# Altium PCB PCB1.PcbDoc (part 1 of 2) (continued)
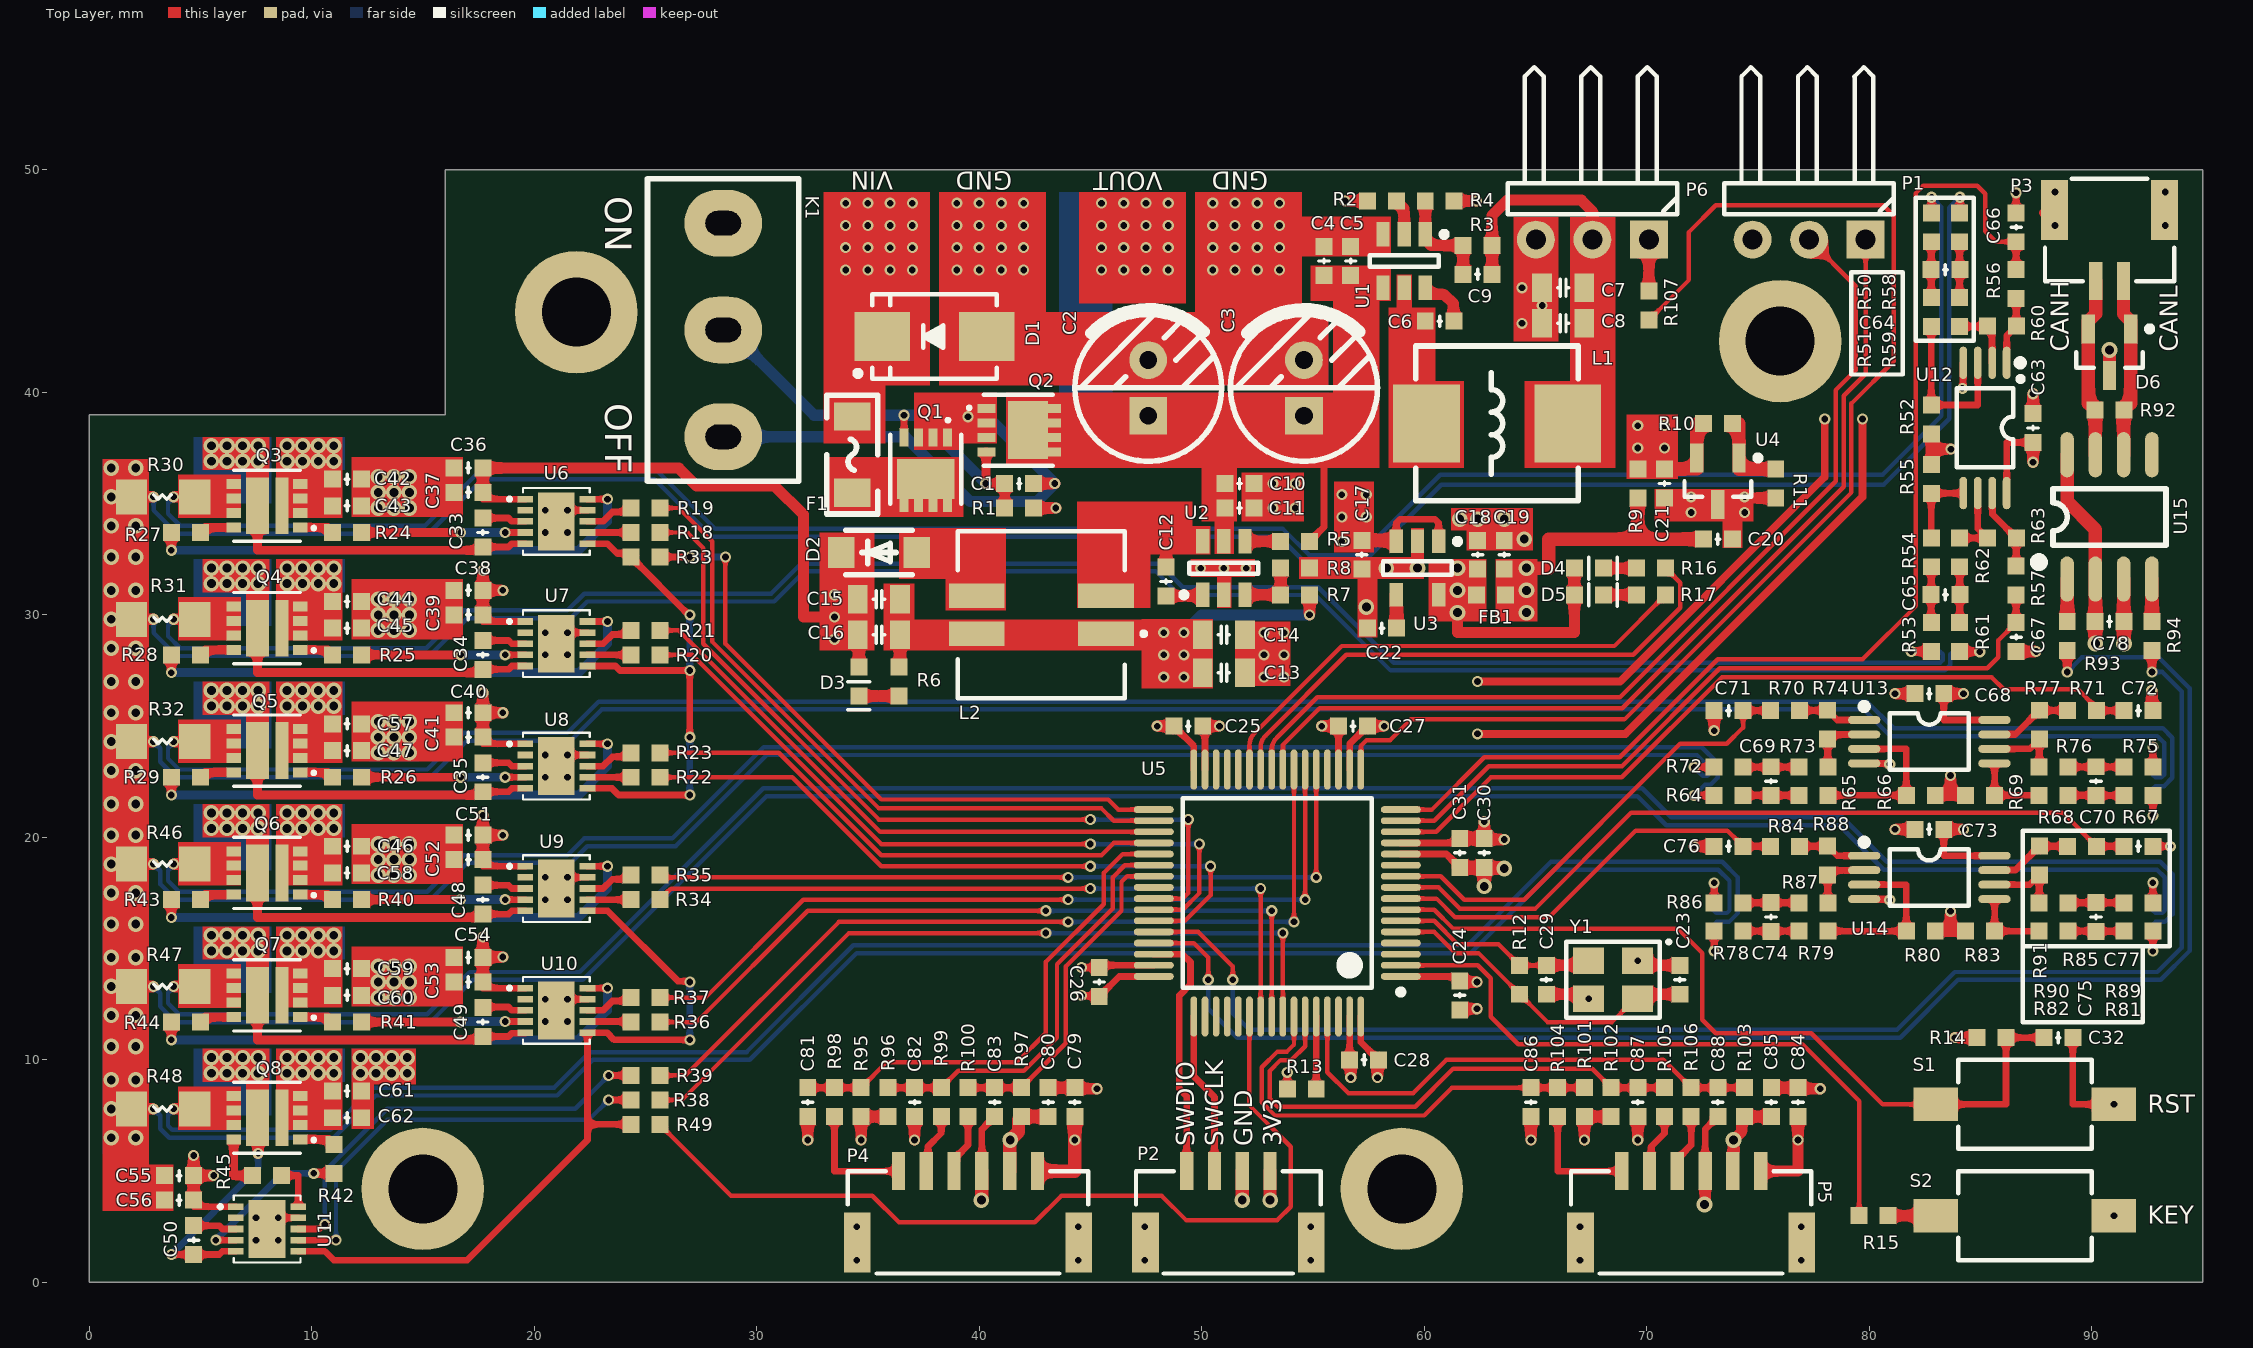
[diagram p0: Top Layer view]
## Components (designator, comment, footprint, x,y, rotation, side; value= is the part's Value field where it differs from the comment) (continued)
Q5 "AON7934" POWERPAIR_3X3 8,23.9 r90 top locked
Q6 "AON7934" POWERPAIR_3X3 8,18.4 r90 top locked
Q7 "AON7934" POWERPAIR_3X3 8,12.9 r90 top
Q8 "AON7934" POWERPAIR_3X3 8,7.4 r90 top locked
R1 "10K" R0603_NS 41.8,34.8 r0 top
R2 "100K" R0603_NS 58.1,48.6 r180 top
R3 "100K/1%" R0603_NS 62.4,46.6 r0 top
R4 "11K/1%" R0603_NS 60.7,48.6 r0 top
R5 "100K" R0603_NS 54.2,33.3 r0 top
R6 "1K" R0603_NS 36.4,27 r90 top
R7 "10.5K/1%" R0603_NS 54.2,30.9 r0 top
R8 "2K/1%" R0603_NS 54.2,32.1 r0 top
R9 "100R" R0603_NS 69.6,35.9 r270 top
R10 "4.12K/1%" R0603_NS 73.2,38.6 r0 top
R11 "12.4K/1%" R0603_NS 75.8,35.9 r90 top
R12 "1M" R0603_NS 64.292,13.6 r270 top
R13 "10K" R0603_NS 54.5,8.7 r180 top
R14 "10K" R0603_NS 85.5,11 r0 top
R15 "1K" R0603_NS 80.2,3 r180 top
R16 "1K" R0603_NS 70.2,32.1 r0 top
R17 "1K" R0603_NS 70.2,30.9 r0 top
R18 "100R" R0603_NS 25,33.7 r180 top
R19 "100R" R0603_NS 25,34.8 r180 top
R20 "100R" R0603_NS 25,28.2 r180 top
R21 "100R" R0603_NS 25,29.3 r180 top
R22 "100R" R0603_NS 25,22.7 r180 top
R23 "100R" R0603_NS 25,23.8 r180 top
R24 "4R7" R0603_NS 11.6,33.7 r180 top
R25 "4R7" R0603_NS 11.6,28.2 r180 top
R26 "4R7" R0603_NS 11.6,22.7 r180 top
R27 "4R7" R0603_NS 4.35,33.7 r0 top
R28 "4R7" R0603_NS 4.35,28.2 r0 top
R29 "4R7" R0603_NS 4.35,22.7 r0 top
R30 "5mΩ/1%" R1206_NS 3.3,35.3 r0 top value=15mΩ
R31 "5mΩ/1%" R1206_NS 3.3,29.8 r0 top value=15mΩ
R32 "5mΩ/1%" R1206_NS 3.3,24.3 r0 top value=15mΩ
R33 "100R" R0603_NS 25,32.6 r180 top
R34 "100R" R0603_NS 25,17.2 r180 top
R35 "100R" R0603_NS 25,18.3 r180 top
R36 "100R" R0603_NS 25,11.7 r180 top
R37 "100R" R0603_NS 25,12.8 r180 top
R38 "100R" R0603_NS 25,8.2 r180 top
R39 "100R" R0603_NS 25,9.3 r180 top
R40 "4R7" R0603_NS 11.6,17.2 r180 top
R41 "4R7" R0603_NS 11.6,11.7 r180 top
R42 "4R7" R0603_NS 11,5.55 r90 top
R43 "4R7" R0603_NS 4.35,17.2 r0 top
R44 "4R7" R0603_NS 4.35,11.7 r0 top
R45 "4R7" R0603_NS 8,4.8 r180 top
R46 "5mΩ/1%" R1206_NS 3.3,18.8 r0 top value=15mΩ
R47 "5mΩ/1%" R1206_NS 3.3,13.3 r0 top value=15mΩ
R48 "5mΩ/1%" R1206_NS 3.3,7.8 r0 top value=15mΩ
R49 "100R" R0603_NS 25,7.1 r180 top
R50 "1K/1%" R0603_NS 82.79,47.415 r270 top
R51 "1K/1%" R0603_NS 82.79,43.605 r270 top
R52 "100K/1%" R0603_NS 82.79,38.779 r270 top
R53 "1K/1%" R0603_NS 82.79,29 r90 top
R54 "1K/1%" R0603_NS 82.79,32.81 r90 top
R55 "100K/1%" R0603_NS 82.79,36.112 r90 top
R56 "100R" R0603_NS 86.6,44.875 r90 top
R57 "100R" R0603_NS 86.6,31.54 r270 top
R58 "1K/1%" R0603_NS 84.06,47.415 r270 top
R59 "1K/1%" R0603_NS 84.06,43.605 r270 top
R60 "100K/1%" R0603_NS 85.965,42.97 r0 top
R61 "1K/1%" R0603_NS 84.06,29 r90 top
R62 "1K/1%" R0603_NS 84.06,32.81 r90 top
R63 "100K/1%" R0603_NS 85.965,33.445 r0 top
R64 "1K/1%" R0603_NS 73.683,21.887 r0 top
R65 "1K/1%" R0603_NS 77.493,21.887 r0 top
R66 "100K/1%" R0603_NS 82.319,21.887 r0 top
R67 "1K/1%" R0603_NS 92.098,21.887 r180 top
R68 "1K/1%" R0603_NS 88.288,21.887 r180 top
R69 "100K/1%" R0603_NS 84.986,21.887 r180 top
R70 "100R" R0603_NS 76.223,25.697 r180 top
R71 "100R" R0603_NS 89.558,25.697 r0 top
R72 "1K/1%" R0603_NS 73.683,23.157 r0 top
R73 "1K/1%" R0603_NS 77.493,23.157 r0 top
R74 "100K/1%" R0603_NS 78.128,25.062 r90 top
R75 "1K/1%" R0603_NS 92.098,23.157 r180 top
R76 "1K/1%" R0603_NS 88.288,23.157 r180 top
R77 "100K/1%" R0603_NS 87.653,25.062 r90 top
R78 "1K/1%" R0603_NS 73.683,15.787 r0 top
R79 "1K/1%" R0603_NS 77.493,15.787 r0 top
R80 "100K/1%" R0603_NS 82.319,15.787 r0 top
R81 "1K/1%" R0603_NS 92.098,15.787 r180 top
R82 "1K/1%" R0603_NS 88.288,15.787 r180 top
R83 "100K/1%" R0603_NS 84.986,15.787 r180 top
R84 "100R" R0603_NS 76.223,19.597 r180 top
R85 "100R" R0603_NS 89.558,19.597 r0 top
R86 "1K/1%" R0603_NS 73.683,17.057 r0 top
R87 "1K/1%" R0603_NS 77.493,17.057 r0 top
R88 "100K/1%" R0603_NS 78.128,18.962 r90 top
R89 "1K/1%" R0603_NS 92.098,17.057 r180 top
R90 "1K/1%" R0603_NS 88.288,17.057 r180 top
R91 "100K/1%" R0603_NS 87.653,18.962 r90 top
R92 "120R" R0603_NS 90.8,39.2 r180 top
R93 "100R" R0603_NS 88.9,29.05 r90 top
R94 "100R" R0603_NS 92.7,29.05 r90 top
R95 "4.7K" R0603_NS 34.7,8.1 r270 top
R96 "4.7K" R0603_NS 35.9,8.1 r270 top
R97 "4.7K" R0603_NS 41.9,8.1 r270 top
R98 "100R" R0603_NS 33.5,8.1 r270 top
R99 "100R" R0603_NS 38.3,8.1 r270 top
R100 "100R" R0603_NS 39.5,8.1 r270 top
R101 "4.7K" R0603_NS 67.2,8.1 r270 top
R102 "4.7K" R0603_NS 68.4,8.1 r270 top
R103 "4.7K" R0603_NS 74.4,8.1 r270 top
R104 "100R" R0603_NS 66,8.1 r270 top
R105 "100R" R0603_NS 70.8,8.1 r270 top
R106 "100R" R0603_NS 72,8.1 r270 top
R107 "100R" R0603_NS 70.1,43.9 r90 top
S1 "TS-1101-C-R" TS-1101 87,8 r180 top
S2 "TS-1101-C-R" TS-1101 87,3 r180 top
U1 "SY8105IADC" SOT23-6N 59.1,45.9 r270 top
U2 "JW5026" SOT23-6N 51,32.1 r90 top
U3 "RT9193" SOT23-5N 59.7,32.1 r270 top
U4 "TLV431A" SOT23-3N 73.2,36 r270 top
U5 "CH32V307RCT6" LQFP64_N 53.4,17.5 r180 top locked
U6 "DGD05473FN-7" W-DFN3030-10_DGD05473 21,34.2 r270 top
U7 "DGD05473FN-7" W-DFN3030-10_DGD05473 21,28.7 r270 top
U8 "DGD05473FN-7" W-DFN3030-10_DGD05473 21,23.2 r270 top
U9 "DGD05473FN-7" W-DFN3030-10_DGD05473 21,17.7 r270 top
U10 "DGD05473FN-7" W-DFN3030-10_DGD05473 21,12.225 r270 top
U11 "DGD05473FN-7" W-DFN3030-10_DGD05473 8,2.4 r270 top
U12 "RS8552" TSSOP8_N 85.203,38.398 r270 top
U13 "RS8552" TSSOP8_N 82.7,24.3 r0 top
U14 "RS8552" TSSOP8_N 82.7,18.2 r0 top
U15 "TJA1050" SOP8_N 90.8,34.4 r90 top
Y1 "8MHz" SMD-3225-4P 68.492,13.6 r180 top

## Footprints (in the part's own frame and the unit in brackets; to place one, negate y for a bottom-side part, rotate by r counter-clockwise, add the part's x,y. Pads: shape width x height; smd on the part's side, far side on the other; paste and mask are expansions set on the pad)
A1257WR-S-2P [mm]
  rect 1.2x2.7 smd: 0(-2.475,-3.2) 0(2.475,-3.2)
  rect 0.6x1.7 smd: 1(-0.625,0) 2(0.625,0)
  silkscreen extent -2.9,-4.6 2.9,0, body extent -2.88,-4.43 2.88,0.13, height 4.18
A1257WR-S-4P [mm]
  rect 1.2x2.7 smd: 0(-3.725,-3.2) 0(3.725,-3.2)
  rect 0.6x1.7 smd: 1(-1.875,0) 2(-0.625,0) 3(0.625,0) 4(1.875,0)
  silkscreen extent -4.15,-4.6 4.15,0, body extent -4.13,-4.43 4.13,0.13, height 4.18
A1257WR-S-6P [mm]
  rect 1.2x2.7 smd: 0(-4.975,-3.2) 0(4.975,-3.2)
  rect 0.6x1.7 smd: 1(-3.125,0) 2(-1.875,0) 3(-0.625,0) 4(0.625,0) 5(1.875,0) 6(3.125,0)
  silkscreen extent -5.4,-4.6 5.4,0, body extent -5.38,-4.43 5.38,0.13, height 4.18
C0603_NS [mil] "贴片MLCC电容-无丝印"
  rect 30x30 smd: 1(-25.59,0) 2(25.59,0)
  silkscreen extent -3,-9 3,9, body extent -31,-16 32,16, height 33
C0805_NS [mil] "贴片MLCC电容-无丝印"
  rect 35x50 smd: 1(-37.4,0) 2(37.4,0)
  silkscreen extent -10,-15 10,15, body extent -39,-24 39,24, height 22
"CT 2.5*6.3*7 - R" [mm] "脚距2.5mm , 直径6.3mm , 高7mm"
  rect 1.7x1.7 hole 0.8: 1(1.25,0)
  round 1.7 hole 0.8: 2(-1.25,0)
  silkscreen extent -3.56,-3.3 3.3,3.3, body extent -3.15,-3.15 3.15,3.15, height 7.05
FB0603_NS [mil] "0603贴片磁珠-无丝印"
  rect 30x30 smd: 1(-25.59,0) 2(25.59,0)
  body extent -31,-16 31,16, height 31
"FU 1206" [mil] "贴片保险丝"
  rect 50x65 smd: 1(-67.5,0) 2(67.5,0)
  silkscreen extent -105,-45 105,45, body extent -63,-32 63,32, height 34
HDR2.54-WI-3P [mm] "弯脚排针，3脚"
  rect 1.7x1.7 hole 0.9: 1(-2.54,0)
  round 1.7 hole 0.9: 2(0,0) 3(2.54,0)
  silkscreen extent -3.81,-7.76 3.81,-1.14, body extent -3.81,-7.77 3.81,1.27, height 4.9
L-SMD-0630 [mm] "一体化成型电感"
  rect 3x3.5 smd: 1(-3.175,0) 2(3.175,0)
  silkscreen extent -3.66,-3.48 3.66,3.48, body extent -3.47,-3.3 3.48,3.3
LED0603_NS [mil]
  rect 30x30 smd: 1(-25.59,0) 2(25.59,0)
  silkscreen extent 0,-20 50,20, body extent -32,-16 31,16, height 18
LQFP64_N [mm] "Thin QFP, 64-Leads, Body 10x10mm, Pitch 0.5mm, IPC Medium Density封装库来自淘宝 ID：黄晶宝石"
  oval 1.8x0.3 smd: 1(-5.55,3.75) 2(-5.55,3.25) 3(-5.55,2.75) 4(-5.55,2.25) 5(-5.55,1.75) 6(-5.55,1.25) 7(-5.55,0.75) 8(-5.55,0.25) 9(-5.55,-0.25) 10(-5.55,-0.75) 11(-5.55,-1.25) 12(-5.55,-1.75) 13(-5.55,-2.25) 14(-5.55,-2.75) 15(-5.55,-3.25) 16(-5.55,-3.75) 33(5.55,-3.75) 34(5.55,-3.25) 35(5.55,-2.75) 36(5.55,-2.25) 37(5.55,-1.75) 38(5.55,-1.25) 39(5.55,-0.75) 40(5.55,-0.25) 41(5.55,0.25) 42(5.55,0.75) 43(5.55,1.25) 44(5.55,1.75) 45(5.55,2.25) 46(5.55,2.75) 47(5.55,3.25) 48(5.55,3.75)
  oval 0.3x1.8 smd: 17(-3.75,-5.55) 18(-3.25,-5.55) 19(-2.75,-5.55) 20(-2.25,-5.55) 21(-1.75,-5.55) 22(-1.25,-5.55) 23(-0.75,-5.55) 24(-0.25,-5.55) 25(0.25,-5.55) 26(0.75,-5.55) 27(1.25,-5.55) 28(1.75,-5.55) 29(2.25,-5.55) 30(2.75,-5.55) 31(3.25,-5.55) 32(3.75,-5.55) 49(3.75,5.55) 50(3.25,5.55) 51(2.75,5.55) 52(2.25,5.55) 53(1.75,5.55) 54(1.25,5.55) 55(0.75,5.55) 56(0.25,5.55) 57(-0.25,5.55) 58(-0.75,5.55) 59(-1.25,5.55) 60(-1.75,5.55) 61(-2.25,5.55) 62(-2.75,5.55) 63(-3.25,5.55) 64(-3.75,5.55)
  silkscreen extent -5.68,-4.25 4.25,4.57, body extent -6,-6 6,6, height 1.45
MSD7342 [mm]
  rect 1.1x2.5 smd: 1(-0.85,-2.9) 2(0.85,-2.9) 3(0.85,2.9) 4(-0.85,2.9)
  silkscreen extent -3.75,-4.7 3.75,3.75, body extent -3.72,-3.72 3.72,3.72, height 4.6
POWERPAIR_3X3 [mm]
  rect 0.45x0.65 smd: D1(-0.325,-1.5) D1(0.325,-1.5) D1(0.975,-1.5) G1(-0.975,-1.5) G2(-0.975,1.5) S2(-0.325,1.5) S2(0.325,1.5) S2(0.975,1.5)
  rect 2.55x0.566 smd: D1(0,-0.672)
  rect 2.55x1.044 smd: S1/D2(0,0.433)
  silkscreen extent -1.6,-2.15 1.6,1.5, body extent -1.5,-1.56 1.5,1.56, height 0.95
PowerPAK1212-8 [mm]
  rect 0.4x0.8 smd: D(-0.975,1.47) D(-0.325,1.47) D(0.325,1.47) D(0.975,1.47) G(0.975,-1.47) S(-0.975,-1.47) S(-0.325,-1.47) S(0.325,-1.47)
  rect 2.6x1.8 smd: D(0,0.4)
  silkscreen extent -1.6,-2.3 1.6,1.5, body extent -1.65,-1.65 1.65,1.65, height 1.04
R0603_NS [mil] "1/10W贴片电阻-无丝印"
  rect 30x30 smd: 1(-25.59,0) 2(25.59,0)
  body extent -31,-16 32,16, height 16
R1206_NS [mil] "1/4W贴片电阻-无丝印"
  rect 55x62 smd: 1(-55.12,0) 2(57.09,0)
  silkscreen extent -16,-4 16,4, body extent -63,-31 63,32, height 22
SMB [mm] "4.7*3.9*2.2mm(长宽高，不包括引脚）联系卖家 免费查找封装"
  rect 2.5x2.2 smd: 1(2.35,0) 2(-2.35,0)
  silkscreen extent -3.57,-1.9 2.8,1.9, body extent -2.65,-1.8 2.65,1.8, height 2.35
SMD-3225-4P [mm]
  rect 1.4x1.2 smd: 1(-1.1,-0.85) 2(1.1,-0.85) 3(1.1,0.85) 4(-1.1,0.85)
  silkscreen extent -2.51,-1.71 2.1,1.7, body extent -1.6,-1.25 1.6,1.25, height 0.81
SOD-123 [mm]
  rect 1.2x1.4 smd: 1(-1.7,0) 2(1.7,0)
  silkscreen extent -1.5,-1 1.5,1, body extent -1.95,-0.9 1.95,0.9, height 1.18
SOP8_N [mil] "5*6*1.8mm（长宽高）"
  oval 80x24 smd: 1(-110,75) 2(-110,25) 3(-110,-25) 4(-110,-75) 5(110,-75) 6(110,-25) 7(110,25) 8(110,75)
  silkscreen extent -86,-100 50,131, body extent -118,-98 118,98, height 75
SOT23-3N [mm] "SOT23, 3-Leads, Body 2.9x1.3mm, Pitch 0.95mm, Lead Span 2.4mm, IPC Medium Density"
  rect 1.3x0.6 smd: 1(-1.05,0.95) 2(-1.05,-0.95) 3(1.05,0)
  silkscreen extent -1.17,-1.5 0.7,1.93, body extent -1.2,-1.5 1.2,1.5, height 1.05
SOT23-5N [mm] "SOT23, 5-Leads, Body 2.9x1.6mm, Pitch 0.95mm, IPC Medium Density                联系卖家 免费查找封装"
  rect 1.05x0.6 smd: 1(-1.2,0.95) 2(-1.2,0) 3(-1.2,-0.95) 4(1.2,-0.95) 5(1.2,0.95)
  silkscreen extent -1.32,-1.55 0.3,1.93, body extent -1.4,-1.5 1.4,1.5, height 1.15
SOT23-6N [mm] "SOT-23, 6-Leads, Body 2.90x1.60mm, Pitch 0.95mm, IPC Medium Density"
  rect 1.1x0.6 smd: 1(-1.2,0.95) 2(-1.2,0) 3(-1.2,-0.95) 4(1.2,-0.95) 5(1.2,0) 6(1.2,0.95)
  silkscreen extent -1.32,-1.55 0.25,1.93, body extent -1.4,-1.5 1.4,1.5, height 1.15
SS-12D10 [mm]
  oval 3x3.5 hole 1.1 slot 1.6 at 90 deg: 1(0,0) 2(-4.8,0) 3(4.8,0)
  silkscreen extent -6.8,-3.4 6.8,3.4, body extent -6.5,-3.4 6.5,3.4, height 13.4
TS-1101 [mm]
  rect 2x1.5 smd: 1(-4,0) 2(4,0)
  silkscreen extent -3,-2 3,2, body extent -4,-1.8 4,1.8, height 2.5
TSSOP8_N [mm] "TSSOP-8_L4.4-W3.0-P0.65"
  oval 1.454x0.353 smd: 1(-2.927,0.975) 2(-2.927,0.325) 3(-2.927,-0.325) 4(-2.927,-0.975) 5(2.927,-0.975) 6(2.927,-0.325) 7(2.927,0.325) 8(2.927,0.975)
  silkscreen extent -3.08,-1.27 1.78,1.73, body extent -3.19,-1.58 3.09,1.42, height 1.12
W-DFN3030-10_DGD05473 [mm]
  rect 0.3x0.7 smd mask+0.051: 1(-1,-1.4) 2(-0.5,-1.4) 3(0,-1.4) 4(0.5,-1.4) 5(1,-1.4) 6(1,1.4) 7(0.5,1.4) 8(0,1.4) 9(-0.5,1.4) 10(-1,1.4)
  rect 2.6x1.65 smd mask+0.051: 11(0,0)
  silkscreen extent -1.5,-2.11 1.5,1.5, body extent -1.5,-1.55 1.5,1.55, height 0.8

## Part data
C1 C4 C5 C6 C7 C8 C9 C10 C11 C12 C13 C14 C15 C16 C17 C18 C19 C20 C21 C22 C23 C24 C25 C26 C27 C28 C29 C30 C31 C32 C33 C34 C35 C36 C37 C38 C39 C40 C41 C42 C43 C44 C45 C46 C47 C48 C49 C50 C51 C52 C53 C54 C55 C56 C57 C58 C59 C60 C61 C62 C63 C64 C65 C66 C67 C68 C69 C70 C71 C72 C73 C74 C75 C76 C77 C78 C79 C80 C81 C82 C83 C84 C85 C86 C87 C88: library part Cap, "Capacitor"
  C23 C29 C33 C34 C35 C36 C37 C38 C39 C40 C41 C48 C49 C50 C51 C52 C53 C54 C55 C56: LatestRevisionDate=17-Jul-2002, LatestRevisionNote="Re-released for DXP Platform.", PackageDescription="Radial Cap, Thru-Hole; 2 Leads; 0.3 in Pin Spacing", PackageReference=RAD-0.3, Published=8-Jun-2000, Publisher="Altium Limited"
C2 C3: library part "Cap Pol2", "Polarized Capacitor (Axial)", LatestRevisionDate=17-Jul-2002, LatestRevisionNote="Re-released for DXP Platform.", PackageDescription="Polarized Capacitor; 2 Leads", Published=8-Jun-2000, Publisher="Altium Limited"
D1: library part TVS, "双向瞬态抑制二极管"
D2: library part "D Schottky", "Schottky Diode", Code_JEDEC=DO-214-AA, LatestRevisionDate=17-Jul-2002, LatestRevisionNote="Re-released for DXP Platform.", PackageDescription="DO-214-AA/SMB; 2 C-Bend Leads; Body 5.3 x 3.6 mm, inc. leads (LxW)", PackageReference=SMB, Published=8-Jun-2000, Publisher="Altium Limited"
D3 D4 D5: library part LED0, "Typical INFRARED GaAs LED"
F1: library part "Fuse 1", "Fuse", LatestRevisionDate=17-Jul-2002, LatestRevisionNote="Re-released for DXP Platform.", PackageDescription="Thru-Hole; 2 Leads", PackageReference=PIN-W2/E2.8, Published=8-Jun-2000, Publisher="Altium Limited"
FB1: library part "Ferrite Bead"
K1: library part SW2
L1: library part "Inductor Iron", "Magnetic-Core Inductor"
L2: library part "Coupled Inductor"
P2: library part Header4
P3: library part Header2
P4 P5: library part Header6
Q1 Q2: library part P-MOS, "P沟道场效应管"
R1 R2 R3 R4 R5 R6 R7 R8 R9 R10 R11 R12 R13 R14 R15 R16 R17 R18 R19 R20 R21 R22 R23 R24 R25 R26 R27 R28 R29 R33 R34 R35 R36 R37 R38 R39 R40 R41 R42 R43 R44 R45 R49 R50 R51 R52 R53 R54 R55 R56 R57 R58 R59 R60 R61 R62 R63 R64 R65 R66 R67 R68 R69 R70 R71 R72 R73 R74 R75 R76 R77 R78 R79 R80 R81 R82 R83 R84 R85 R86 R87 R88 R89 R90 R91 R92 R93 R94 R95 R96 R97 R98 R99 R100 R101 R102 R103 R104 R105 R106 R107: library part Res1, "Resistor"
R30 R31 R32 R46 R47 R48: library part Res2, "Resistor", LatestRevisionDate=17-Jul-2002, LatestRevisionNote="Re-released for DXP Platform.", PackageDescription="Axial Device, Thru-Hole; 2 Leads; 0.4 in Pin Spacing", PackageReference=AXIAL-0.4, Published=8-Jun-2000, Publisher="Altium Limited"
S1 S2: library part SW
U1: library part SY8105
U4: library part TLV431DBZ
U6 U7 U8 U9 U10 U11: library part DGD05473
U12 U13 U14: library part AD8606
Y1: library part XTAL

## Free pads (board coordinates)
  round 5.5 hole 3.1: 0(15,4.2) 0(21.9,43.6) 0(59,4.2) 0(76,42.3)

## Via types
v1: diameter 0.5, hole 0.3, Top Layer to Bottom Layer, tented both sides, 292 vias
v2: diameter 0.7, hole 0.4, Top Layer to Bottom Layer, tented both sides, 213 vias

## Nets (pads, with @x,y where several pads share a name; then routed paths per layer and width w, separated by ;. In a path a pad name is that pad's centre, name@x,y a point inside that pad or via, vN(x,y) a via of type N, cw(c..) or ccw(c..) an arc to the next point about the centre after c; other vN are vias at no path point)
ADC_ISEN1_U: C66.2 R56.2 U5.16 | length 53.4
  Top Layer w0.2: U5.16@58.95,21.25 60.35,21.25 62.7,23.6 68.795,23.6 73.195,28 79.7,28 82.1,30.4 82.1,48.953 82.423,49.276 84.862,49.276 85.217,48.921 85.217,47.244 85.696,46.765 C66.2@86.6,46.765
  Top Layer w0.3: R56.2@86.6,45.525 C66.2@86.6,46.765
ADC_ISEN1_V: C67.2 R57.2 U5.15 | length 33
  Top Layer w0.2: U5.15@58.95,20.75 60.45,20.75 62.9,23.2 68.89,23.2 73.29,27.6 85.3,27.6 85.8,28.1 85.8,28.85 C67.2@86.6,29.65
  Top Layer w0.3: C67.2@86.6,29.65 R57.2@86.6,30.89
ADC_ISEN1_W: C72.2 R71.2 U5.14 | length 35.9
  Top Layer w0.2: U5.14@58.95,20.25 60.55,20.25 63,22.7 68.885,22.7 73.385,27.2 85.5,27.2 86.041,26.659 89.386,26.659 R71.2@90.208,25.838
  Top Layer w0.3: R71.2@90.208,25.697 C72.2@91.448,25.697
ADC_ISEN2_U: C71.2 R70.2 U5.10 | length 21
  Top Layer w0.2: U5.10@58.95,18.25 60.75,18.25 61.8,17.2 64.5,17.2 71.5,24.2 73.6,24.2 74.333,24.933 C71.2@74.333,25.697
  Top Layer w0.3: C71.2@74.333,25.697 R70.2@75.573,25.697
ADC_ISEN2_V: C77.2 R85.2 U5.9 | length 35.3
  Top Layer w0.2: U5.9@58.95,17.75 60.65,17.75 61.6,16.8 65,16.8 69.3,21.1 88.705,21.1 R85.2@90.208,19.597
  Top Layer w0.3: R85.2@90.208,19.597 C77.2@91.448,19.597
ADC_ISEN2_W: C76.2 R84.2 U5.8 | length 18.9
  Top Layer w0.2: U5.8@58.95,17.25 60.55,17.25 61.4,16.4 65.6,16.4 69.5,20.3 73.63,20.3 C76.2@74.333,19.597
  Top Layer w0.3: C76.2@74.333,19.597 R84.2@75.573,19.597
AVCC_3V3: C19.2 C20.2 C30.2 C31.2 C63.2 C68.2 C73.2 FB1.2 R9.2 U5.13 U12.8 U13.8 U14.8 | length 29.7
  Top Layer w0.3: U5.13@58.95,19.75 61.4,19.75 C31.2@61.6,19.949 ; C73.2@83.35,20.359 83.35,19.175 U14.8@85.627,19.175 ; C68.2@83.35,26.459 83.35,25.275 U13.8@85.627,25.275 ; U12.8@86.178,35.471 86.178,37.748 C63.2@87.362,37.748
  Top Layer w0.5: v1(62.7,20.7) C30.2@62.7,19.949 62.75,19.9 v1(63.6,19.9) ; C73.2@83.35,20.359 v1(84.239,20.359) ; C68.2@83.35,26.459 v1(84.239,26.459) ; v1(87.362,36.859) C63.2@87.362,37.748
  Top Layer w0.6: C31.2@61.6,19.949 C30.2@62.7,19.949 ; v2(64.6,32.1) 65.6,32.1 65.6,33.4 69.6,33.4 ; R9.2@69.6,35.25 69.6,33.4 ; C20.2@72.55,33.4 69.6,33.4
  other v2: 64.6,30.1 64.6,31.1
BOOT0: R13.1 U5.60 | length 2.9
  Top Layer w0.3: R13.1@55.15,9 U5.60@55.15,11.95
CAN1_RX: R94.1 U5.44 | length 65
  Top Layer w0.2: U5.44@47.85,15.75 49.85,15.75 51.4,14.2 v1(51.4,13.6)
  Top Layer w0.381: R94.1@92.7,28.4 92.705,28.395 92.705,27.437 v1(92.71,27.432)
  Bottom Layer w0.2: v1(51.4,13.6) 51.4,12.1 52.15,11.35 81.25,11.35 83.85,13.95 92.95,13.95 94.046,15.046 94.046,26.554 93.168,27.432 v1(92.71,27.432)
CAN1_TX: R93.1 U5.45 | length 70.4
  Top Layer w0.2: U5.45@47.85,15.25 49.65,15.25 50.3,14.6 v1(50.3,13.6)
  Top Layer w0.381: v1(88.9,27.432) R93.1@88.9,28.4
  Bottom Layer w0.2: v1(50.3,13.6) 50.3,12.3 51.6,11 81.395,11 83.995,13.6 93.1,13.6 94.396,14.896 94.396,26.704 93.015,28.085 89.553,28.085 v1(88.9,27.432)
CAN_RX: R94.2 U15.4 | length 1.9
  Top Layer w0.6: R94.2@92.7,29.7 92.703,29.703 92.703,31.604 U15.4@92.705,31.606
CAN_TX: R93.2 U15.1 | length 1.9
  Top Layer w0.6: U15.1@88.895,31.606 88.895,30.892 88.9,30.887 R93.2@88.9,29.7
CANH: D6.2 P3.2 R92.2 U15.7 | length 8
  Top Layer w0.6: R92.2@90.15,39.2 89.85,39.5 D6.2@89.85,42.85 89.85,43.2 90.175,43.525 P3.2@90.175,45 ; U15.7@90.165,37.194 R92.2@90.165,39.185
CANL: D6.1 P3.1 R92.1 U15.6 | length 8
  Top Layer w0.6: P3.1@91.425,45 91.425,43.525 91.75,43.2 D6.1@91.75,42.85 91.75,39.5 R92.1@91.45,39.2 ; U15.6@91.435,37.194 R92.1@91.435,39.185
EN1: R33.2 U6.6 U7.6 U8.6 | length 23.2
  Top Layer w0.3: U8.6@22.4,22.2 23.5,22.2 23.8,21.9 v1(27,21.9) ; U7.6@22.4,27.7 23.664,27.7 23.864,27.5 v1(27,27.5) v1(27,24.5) ; U6.6@22.4,33.2 23.291,33.2 23.721,32.77 R33.2@24.18,32.77 ; R33.2@24.35,32.6 26.95,30 v1(27,30)
  Bottom Layer w0.3: v1(27,21.9) v1(27,24.5) ; v1(27,27.5) v1(27,30)
EN2: R49.2 U9.6 U10.6 U11.6 | length 35.4
  Top Layer w0.3: U11.6@9.4,1.4 10.6,1.4 11,1 17,1 22.4,6.4 22.4,7.1 ; U9.6@22.4,16.7 23.3,16.7 26.462,13.538 26.962,13.538 v1(27,13.5) ; R49.2@24.35,7.1 22.4,7.1 ; v1(27,10.9) 23.6,10.9 23.275,11.225 U10.6@22.4,11.225 22.4,7.1
  Bottom Layer w0.3: v1(27,10.9) v1(27,13.5)
EN_DRV1: R33.1 U5.33 | length 29.2
  Top Layer w0.2: v1(28.6,32.6) 28.6,28.7 35.6,21.7 45.8,21.7 46.25,21.25 U5.33@47.85,21.25
  Top Layer w0.3: R33.1@25.65,32.6 v1(27,32.6)
  Bottom Layer w0.3: v1(27,32.6) v1(28.6,32.6)
EN_DRV2: R49.1 U5.54 | length 40.7
  Top Layer w0.2: R49.1@25.65,7.1 28.85,3.9 35.2,3.9 36.4,2.7 42.5,2.7 43.7,3.9 48.2,3.9 49.3,2.8 53.4,2.8 54,3.4 54,6.1 52.15,7.95 U5.54@52.15,11.95
GND: C2.2 C3.2 C4.1 C5.1 C7.1 C8.1 C10.1 C11.1 C13.1 C14.1 C17.1 C18.1 C19.1 C20.1 C21.1 C22.1 C23.1 C24.1 C25.1 C26.1 C27.1 C28.1 C29.1 C30.1 C31.1 C32.1 C36.2 C37.2 C38.2 C39.2 C40.2 C41.2 C42.1 C43.1 C44.1 C45.1 C46.1 C47.1 C51.2 C52.2 C53.2 C54.2 C55.2 C56.2 C57.1 C58.1 C59.1 C60.1 C61.1 C62.1 C63.1 C66.1 C67.1 C68.1 C71.1 C72.1 C73.1 C76.1 C77.1 C78.2 C79.1 C80.1 C81.1 C82.1 C83.1 C84.1 C85.1 C86.1 C87.1 C88.1 D1.1 D6.3 P1.3 P2.0 P2.3 P3.0 P4.0 P4.4 P5.0 P5.4 P6.3 R1.2 R4.2 R8.2 R11.1 R13.2 R30.1 R31.1 R32.1 R46.1 R47.1 R48.1 R58.1 R61.1 R72.1 R75.1 R86.1 R89.1 S1.1 S2.1 U1.3 U2.2 U3.2 U4.3 U5.12 U5.18 U5.31 U5.47 U5.63 U6.9 U6.11 U7.9 U7.11 U8.9 U8.11 U9.9 U9.11 U10.9 U10.11 U11.9 U11.11 U12.4 U13.4 U14.4 U15.2 U15.8 Y1.1 Y1.3 | length 678.2
  Top Layer w0.3: U11.11@8,2.4 v1(8.501,2.9) U11.9@9.4,2.9 ; U10.11@21,12.225 21.5,12.725 U10.9@22.4,12.725 ; U9.11@21,17.7 v1(21.501,18.2) U9.9@22.4,18.2 ; U8.11@21,23.2 v1(21.501,23.7) U8.9@22.4,23.7 ; U7.11@21,28.7 v1(21.501,29.2) U7.9@22.4,29.2 ; U6.11@21,34.2 v1(21.501,34.7) U6.9@22.4,34.7 ; P4.4@40.125,5 40.125,6.875 C83.1@40.7,7.45 ; v1(44.6,14.15) C26.1@45.4,14.15 45.5,14.25 U5.47@47.85,14.25 ; C25.1@50.05,25 50.15,24.9 U5.31@50.15,23.05 ; R13.2@53.85,8.7 v1(53.85,9.441) ; C28.1@56.65,10 U5.63@56.65,11.95 ; U5.18@56.65,23.05 56.65,24.2 C27.1@57.45,25 ; U5.12@58.95,19.25 61,19.25 C31.1@61.6,18.649 ; v1(69.592,14.45) Y1.1@69.792,14.25 ; v1(72.133,23.157) R72.1@73.033,23.157 ; P5.4@72.625,5 72.625,6.875 C88.1@73.2,7.45 ; R86.1@73.033,17.057 v1(73.033,17.957) ; U14.4@79.773,17.225 79.783,17.215 80.891,17.215 v1(80.922,17.184) ; U13.4@79.773,23.325 79.783,23.315 80.891,23.315 v1(80.922,23.284) ; R58.1@84.074,48.079 v1(84.074,48.768) ; v1(84.187,40.176) 84.218,40.207 84.218,41.315 U12.4@84.228,41.325 ; C66.1@86.6,48.065 v1(86.6,48.965) ; C32.1@89.15,11 89.15,8 v1(91,8) ; R89.1@92.748,17.057 v1(92.748,17.957) ; C77.1@92.748,19.597 v1(93.535,19.597) ; R75.1@92.748,23.157 v1(92.748,24.057)
  Top Layer w0.35: v1(62.4,24.65) 69.05,24.65 79.7,35.3 v1(79.7,38.8) ; v1(62.4,27) 68.8,27 78,36.2 v1(78,38.8)
  Top Layer w0.381: R61.1@84.06,28.35 84.064,28.346 84.964,28.346 v1(84.967,28.343) ; P3.0@87.816,48.065 88.35,47.531 v1(88.35,47.5)
  Top Layer w0.5: R48.1@1.9,7.8 v1(2.9,7.8) ; R47.1@1.9,13.3 v1(2.9,13.3) ; R46.1@1.9,18.8 v1(2.9,18.8) ; R32.1@1.9,24.3 v1(2.9,24.3) ; R31.1@1.9,29.8 v1(2.9,29.8) ; R30.1@1.9,35.3 v1(2.9,35.3) ; v1(32.3,6.4) C81.1@32.3,7.45 ; v1(37.1,6.4) C82.1@37.1,7.45 ; R1.2@42.45,34.8 v1(43.45,34.8) ; C80.1@43.1,8.75 C79.1@44.3,8.75 44.35,8.7 v1(45.3,8.7) ; C25.1@50.05,25 v1(50.8,25) ; v1@53.7,27.15 v1(53.7,27.2) ; C28.1@56.65,10 56.7,9.95 v1(56.7,9.2) ; C27.1@57.45,25 v1(58.2,25) ; R4.2@61.35,48.6 v1(62.35,48.6) ; C24.1@61.6,12.349 61.65,12.3 v1(62.373,12.3) ; v1(64.8,6.4) C86.1@64.8,7.45 ; C29.1@65.492,12.95 67.192,12.95 v1(67.392,12.75) ; v1(69.6,6.4) C87.1@69.6,7.45 ; Y1.1@69.792,14.25 C23.1@71.492,14.25 ; v1(72.133,19.597) C76.1@73.033,19.597 ; v2(72.6,3.5) 72.625,3.5 P5.4@72.625,5 ; v1(73.033,24.797) C71.1@73.033,25.697 ; U4.3@73.2,34.95 73.2,35.25 R11.1@75.8,35.25 ; C85.1@75.6,8.75 C84.1@76.8,8.75 76.85,8.7 v1(77.8,8.7) ; v1(81.161,20.359) C73.1@82.05,20.359 ; v1(81.161,26.459) C68.1@82.05,26.459 ; C67.1@86.6,28.35 v1(87.5,28.35) ; C63.1@87.362,39.048 v1(87.362,39.937) ; v1(92.7,26.6) 92.7,25.697 C72.1@92.748,25.697
  Top Layer w0.6: v2(40.1,3.7) 40.1,3.727 40.125,3.752 P4.4@40.125,5 ; v2(51.825,3.7) P2.3@51.825,5 ; C31.1@61.6,18.649 61.63,18.619 C30.1@62.7,18.619 ; v2(62.7,17.8) C30.1@62.7,18.619 ; C30.1@62.7,18.649 C30.1@62.7,18.619 ; v2(63.6,18.6) 63.581,18.619 C30.1@62.7,18.619 ; U15.8@88.895,37.194 88.895,35.105 90.165,33.835 U15.2@90.165,31.606 90.163,31.604 v2(90.163,28.713) ; D6.3@90.8,40.75 v2(90.8,41.9)
  Bottom Layer w0.2: v1(2.9,7.8) 3.2,7.5 3.2,6.9 3.6,6.5 10.995,6.5 12.895,8.4 21.045,8.4 22.645,10 29.695,10 34.495,14.8 62.095,14.8 65.845,18.55 73.218,18.55 73.722,18.045 73.722,16.717 73.605,16.6 73.117,16.6 73,16.717 73,17.957 v1(73.033,17.957) ; v1(2.9,13.3) 3.2,13 3.2,12.4 3.9,11.7 15.345,11.7 17.245,13.6 22.195,13.6 30.445,21.85 69.584,21.85 70.884,20.55 78.65,20.55 80.65,18.55 92.933,18.55 93.281,18.202 93.281,16.717 93.164,16.6 92.865,16.6 92.748,16.717 v1(92.748,17.957) ; v1(2.9,18.8) 3.2,18.5 3.2,17.9 3.9,17.2 15.345,17.2 16.995,18.85 21.645,18.85 22.395,19.6 26.36,19.6 30.46,23.7 72.262,23.7 72.84,23.122 72.84,22.885 72.723,22.768 72.522,22.768 v1(72.133,23.157) ; v1(2.9,24.3) 3.2,24 3.2,23.4 3.9,22.7 15.345,22.7 16.995,24.35 21.645,24.35 23.045,25.75 79.755,25.75 80.955,24.55 92.949,24.55 93.25,24.25 93.25,22.817 93.132,22.7 92.865,22.7 92.748,22.817 v1(92.748,24.057) ; v1(2.9,29.8) 2.9,29.2 3.95,28.15 15.295,28.15 16.995,29.85 21.645,29.85 22.395,30.6 30.795,30.6 32.145,31.95 47.946,31.95 49.004,30.892 55.1,30.892 58.492,27.5 83.4,27.5 83.65,27.75 83.65,28.226 83.767,28.343 v1(84.967,28.343) ; v1(2.9,35.3) 2.9,34.7 3.95,33.65 15.245,33.65 17.695,36.1 25.405,36.1 27.994,33.511 53.484,33.511 54.661,32.334 57.252,32.334 60.767,35.85 80.645,35.85 83.6,38.805 83.6,48.294 v1(84.074,48.768)
  other v1: 34.5,1 44.45,1 47.45,1 54.9,1 67,1 76.95,1 7.501,1.9 8.501,1.9 34.5,2.5 44.45,2.5 47.45,2.5 54.9,2.5 67,2.5 76.95,2.5 7.501,2.9 91,3 20.501,11.725 21.501,11.725 20.501,12.725 21.501,12.725 20.501,17.2 21.501,17.2 20.501,18.2 20.501,22.7 21.501,22.7 20.501,23.7 52.8,27.2 20.501,28.2 21.501,28.2 52.8,28.2 53.7,28.2 20.501,29.2 52.8,29.2 53.7,29.2 49.956,32.098 51,32.1 52,32.1 20.501,33.7 21.501,33.7 72,34.6 74.4,34.6 20.501,34.7 53.2,34.8 54.2,34.8 72,35.3 74.4,35.3 53.2,35.9 54.2,35.9 64.4,43.1 65.3,43.9 64.4,44.7 39,45.5 40,45.5 41,45.5 42,45.5 50.5,45.5 51.5,45.5 52.5,45.5 53.5,45.5 39,46.5 40,46.5 41,46.5 42,46.5 50.5,46.5 51.5,46.5 52.5,46.5 53.5,46.5 39,47.5 40,47.5 41,47.5 42,47.5 50.5,47.5 51.5,47.5 52.5,47.5 53.5,47.5 93.3,47.5 39,48.5 40,48.5 41,48.5 42,48.5 50.5,48.5 51.5,48.5 52.5,48.5 53.5,48.5 88.35,49 93.3,49
  other v2: 1,6.5 2.1,6.5 1,7.8 1,9.1 2.1,9.1 12.2,9.4 12.9,9.4 13.6,9.4 14.3,9.4 12.2,10.1 12.9,10.1 13.6,10.1 14.3,10.1 1,10.6 2.1,10.6 1,12 2.1,12 13,12.8 13.7,12.8 14.4,12.8 1,13.3 13,13.5 13.7,13.5 14.4,13.5 13,14.2 13.7,14.2 14.4,14.2 1,14.6 2.1,14.6 1,16.1 2.1,16.1 1,17.5 2.1,17.5 13,18.3 13.7,18.3 14.4,18.3 1,18.8 13,19 13.7,19 14.4,19 13,19.7 13.7,19.7 14.4,19.7 1,20.1 2.1,20.1 1,21.5 2.1,21.5 1,23 2.1,23 13,23.8 13.7,23.8 14.4,23.8 1,24.3 13,24.5 13.7,24.5 14.4,24.5 13,25.2 13.7,25.2 14.4,25.2 1,25.6 2.1,25.6 1,27 2.1,27 1,28.5 2.1,28.5 13,29.3 13.7,29.3 14.4,29.3 1,29.8 13,30 13.7,30 14.4,30 57.404,30.353 13,30.7 13.7,30.7 14.4,30.7 1,31.1 2.1,31.1 58.3,32.1 59.7,32.1 1,32.6 2.1,32.6 64.5,33.4 1,34 2.1,34 61.6,34.3 62.4,34.3 63.6,34.3 13,34.8 13.7,34.8 14.4,34.8 1,35.3 13,35.5 13.7,35.5 14.4,35.5 13,36.2 13.7,36.2 14.4,36.2 1,36.6 2.1,36.6
HIN1_U: R18.2 U6.7 | length 2
  Top Layer w0.3: U6.7@22.4,33.7 R18.2@24.35,33.7
HIN1_V: R20.2 U7.7 | length 2
  Top Layer w0.3: U7.7@22.4,28.2 R20.2@24.35,28.2
HIN1_W: R22.2 U8.7 | length 2
  Top Layer w0.3: U8.7@22.4,22.7 R22.2@24.35,22.7
HIN2_U: R34.2 U9.7 | length 2
  Top Layer w0.3: U9.7@22.4,17.2 R34.2@24.35,17.2
HIN2_V: R36.2 U10.7 | length 2
  Top Layer w0.3: U10.7@22.4,11.725 R36.2@24.35,11.725
HIN2_W: R38.2 U11.7 | length 19.4
  Top Layer w0.3: U11.7@9.4,1.9 v1(11.1,1.9) ; v1(23.35,8.2) R38.2@24.35,8.2
  Bottom Layer w0.2: v1(11.1,1.9) 11.1,5 13.4,7.3 22.45,7.3 v1(23.35,8.2)
HO1_U: R24.1 U6.4 | length 7.4
  Top Layer w0.3: v1(18.7,33.7) U6.4@19.6,33.7
  Top Layer w0.4: R24.1@12.25,33.7 v1(16.7,33.7)
  Bottom Layer w0.4: v1(16.7,33.7) v1(18.7,33.7)
HO1_V: R25.1 U7.4 | length 7.4
  Top Layer w0.3: v1(18.7,28.2) U7.4@19.6,28.2
  Top Layer w0.4: R25.1@12.25,28.2 v1(16.7,28.2)
  Bottom Layer w0.4: v1(16.7,28.2) v1(18.7,28.2)
HO1_W: R26.1 U8.4 | length 7.4
  Top Layer w0.3: v1(18.7,22.7) U8.4@19.6,22.7
  Top Layer w0.4: R26.1@12.25,22.7 v1(16.7,22.7)
  Bottom Layer w0.4: v1(16.7,22.7) v1(18.7,22.7)
HO2_U: R40.1 U9.4 | length 7.4
  Top Layer w0.3: v1(18.7,17.2) U9.4@19.6,17.2
  Top Layer w0.4: R40.1@12.25,17.2 v1(16.7,17.2)
  Bottom Layer w0.4: v1(16.7,17.2) v1(18.7,17.2)
HO2_V: R41.1 U10.4 | length 7.4
  Top Layer w0.3: v1(18.7,11.725) U10.4@19.6,11.725
  Top Layer w0.4: R41.1@12.25,11.7 v1(16.7,11.7)
  Bottom Layer w0.4: v1@16.7,11.725 v1(18.7,11.725)
HO2_W: R42.1 U11.4 | length 7.4
  Top Layer w0.3: v1(5.7,1.9) U11.4@6.6,1.9
  Top Layer w0.4: v1(10.1,4.9) R42.1@11,4.9
  Bottom Layer w0.3: v1(5.7,1.9) 8.7,4.9 v1(10.1,4.9)
ISEN1_U: Q3.S2 R30.2 R50.1 | length 97.6
  Top Layer w0.3: R50.1@82.804,48.079 v1(82.804,48.768)
  Top Layer w0.5: v1(3.8,35.3) R30.2@4.75,35.3
  Bottom Layer w0.2: v1(3.8,35.3) 3.8,35.276 3.55,35.026 3.55,34.545 4.095,34 15.1,34 17.55,36.45 25.55,36.45 28.139,33.861 53.653,33.861 54.83,32.684 57.107,32.684 60.722,36.3 80.6,36.3 83.244,38.944 83.244,48.328 v1(82.804,48.768)
ISEN1_V: Q4.S2 R31.2 R53.1 | length 87.9
  Top Layer w0.381: v1(81.89,28.35) R53.1@82.79,28.35
  Top Layer w0.5: v1(3.8,29.8) R31.2@4.75,29.8
  Bottom Layer w0.2: v1(3.8,29.8) 3.8,29.776 3.55,29.526 3.55,29.045 4.095,28.5 15.15,28.5 16.85,30.2 21.5,30.2 22.25,30.95 30.65,30.95 32,32.3 48.091,32.3 49.149,31.242 55.245,31.242 58.637,27.85 83.183,27.85 83.3,27.967 83.3,28.233 83.183,28.35 v1(81.89,28.35)
ISEN1_W: Q5.S2 R32.2 R67.1 | length 99
  Top Layer w0.3: v1(92.748,20.987) R67.1@92.748,21.887
  Top Layer w0.5: v1(3.8,24.3) R32.2@4.75,24.3
  Bottom Layer w0.2: v1(3.8,24.3) 3.8,24.276 3.55,24.026 3.55,23.545 4.045,23.05 15.2,23.05 16.85,24.7 21.5,24.7 22.9,26.1 79.9,26.1 81.1,24.9 93.2,24.9 93.624,24.476 93.624,22.676 93.249,22.301 92.865,22.301 92.748,22.184 v1(92.748,20.987)
ISEN2_U: Q6.S2 R46.2 R64.1 | length 77.6
  Top Layer w0.3: v1(72.133,21.887) R64.1@73.033,21.887
  Top Layer w0.5: v1(3.8,18.8) R46.2@4.75,18.8
  Bottom Layer w0.2: v1(3.8,18.8) 3.8,18.776 3.55,18.526 3.55,18.045 4.045,17.55 15.2,17.55 16.85,19.2 21.5,19.2 22.25,19.95 26.215,19.95 30.315,24.05 72.478,24.05 73.19,23.338 73.19,22.686 72.878,22.374 72.62,22.374 v1@72.141,21.895
ISEN2_V: Q7.S2 R47.2 R81.1 | length 102.9
  Top Layer w0.3: v1(92.748,14.887) R81.1@92.748,15.787
  Top Layer w0.5: v1(3.8,13.3) R47.2@4.75,13.3
  Bottom Layer w0.2: v1(3.8,13.3) 3.8,13.276 3.55,13.026 3.55,12.545 4.045,12.05 15.2,12.05 17.1,13.95 22.05,13.95 30.3,22.2 69.8,22.2 71.1,20.9 78.795,20.9 80.795,18.9 93.08,18.9 93.631,18.349 93.631,16.554 93.277,16.2 92.865,16.2 92.748,16.083 v1(92.748,14.887)
ISEN2_W: Q8.S2 R48.2 R78.1 | length 82.7
  Top Layer w0.3: v1(73.033,14.887) R78.1@73.033,15.787
  Top Layer w0.5: v1(3.8,7.8) R48.2@4.75,7.8
  Bottom Layer w0.2: v1(3.8,7.8) 3.8,7.776 3.55,7.526 3.55,7.045 3.745,6.85 10.85,6.85 12.75,8.75 20.9,8.75 22.5,10.35 29.55,10.35 34.35,15.15 61.95,15.15 65.7,18.9 73.4,18.9 74.1,18.2 74.1,16.6 73.7,16.2 73.15,16.2 73.033,16.083 v1(73.033,14.887)
KEY: R15.2 U5.2 | length 29.3
  Top Layer w0.2: U5.2@58.95,14.25 62.411,14.25 62.992,13.668 62.992,11.938 64.23,10.7 77,10.7 79.55,8.15 R15.2@79.55,3
LED0: R16.2 U5.26 | length 24.6
  Top Layer w0.2: U5.26@52.65,23.05 52.65,24.037 cw(c53.404,24.038) 52.872,24.572 56.5,28.2 69.399,28.2 71.511,30.312 71.511,31.439 R16.2@70.864,32.086
LED1: R17.2 U5.27 | length 22.7
  Top Layer w0.2: U5.27@52.15,23.05 52.15,24.137 ; 52.15,24.138 cw(c52.904,24.138) 52.371,24.671 56.3,28.6 68.55,28.6 R17.2@70.85,30.9
LIN1_U: R19.2 U6.8 | length 2.2
  Top Layer w0.3: U6.8@22.4,34.2 23.1,34.2 23.519,34.619 24.169,34.619 R19.2@24.35,34.8
LIN1_V: R21.2 U7.8 | length 2.2
  Top Layer w0.3: U7.8@22.4,28.7 23.1,28.7 23.519,29.119 24.169,29.119 R21.2@24.35,29.3
LIN1_W: R23.2 U8.8 | length 2.2
  Top Layer w0.3: U8.8@22.4,23.2 23.1,23.2 23.519,23.619 24.169,23.619 R23.2@24.35,23.8
LIN2_U: R35.2 U9.8 | length 2.2
  Top Layer w0.3: U9.8@22.4,17.7 23.1,17.7 23.519,18.119 24.169,18.119 R35.2@24.35,18.3
LIN2_V: R37.2 U10.8 | length 2.2
  Top Layer w0.3: U10.8@22.4,12.225 23.1,12.225 23.519,12.644 24.169,12.644 R37.2@24.35,12.825
LIN2_W: R39.2 U11.8 | length 19.2
  Top Layer w0.3: U11.8@9.4,2.4 10.346,2.4 10.546,2.6 v1(10.6,2.6) ; v1(23.35,9.3) R39.2@24.35,9.3
  Bottom Layer w0.2: v1(10.6,2.6) 10.6,5 13.4,7.8 21.85,7.8 v1(23.35,9.3)
LO1_U: R27.1 U6.10 | length 22.8
  Top Layer w0.3: U6.10@22.4,35.201 U6.10@22.6,35.201 ; U6.10@22.6,35.2 v1(23.3,35.2)
  Top Layer w0.4: v1(3.7,32.9) R27.1@3.7,33.7
  Bottom Layer w0.4: v1(3.7,32.9) 22,32.9 23.3,34.2 v1(23.3,35.2)
LO1_V: R28.1 U7.10 | length 22.8
  Top Layer w0.3: U7.10@22.4,29.701 U7.10@22.6,29.701 ; U7.10@22.6,29.7 v1(23.3,29.7)
  Top Layer w0.4: v1(3.7,27.4) R28.1@3.7,28.2
  Bottom Layer w0.4: v1(3.7,27.4) 22,27.4 23.3,28.7 v1(23.3,29.7)
LO1_W: R29.1 U8.10 | length 22.8
  Top Layer w0.3: U8.10@22.4,24.201 U8.10@22.6,24.201 ; U8.10@22.6,24.2 v1(23.3,24.2)
  Top Layer w0.4: v1(3.7,21.9) R29.1@3.7,22.7
  Bottom Layer w0.4: v1(3.7,21.9) 22,21.9 23.3,23.2 v1(23.3,24.2)